# Altium PCB Control Panel PCB v2.PcbDoc (part 3 of 3)
Units mm, origin at the board's own origin, x right, y up, seen from the top; angles counter-clockwise.
Board outline 270.04 x 103.81 mm, 2 copper layers (Top Layer, Bottom Layer); 322 components, 214 nets, 925 pads, 431 vias.
Unrouted connection lines stored in the file: 76.
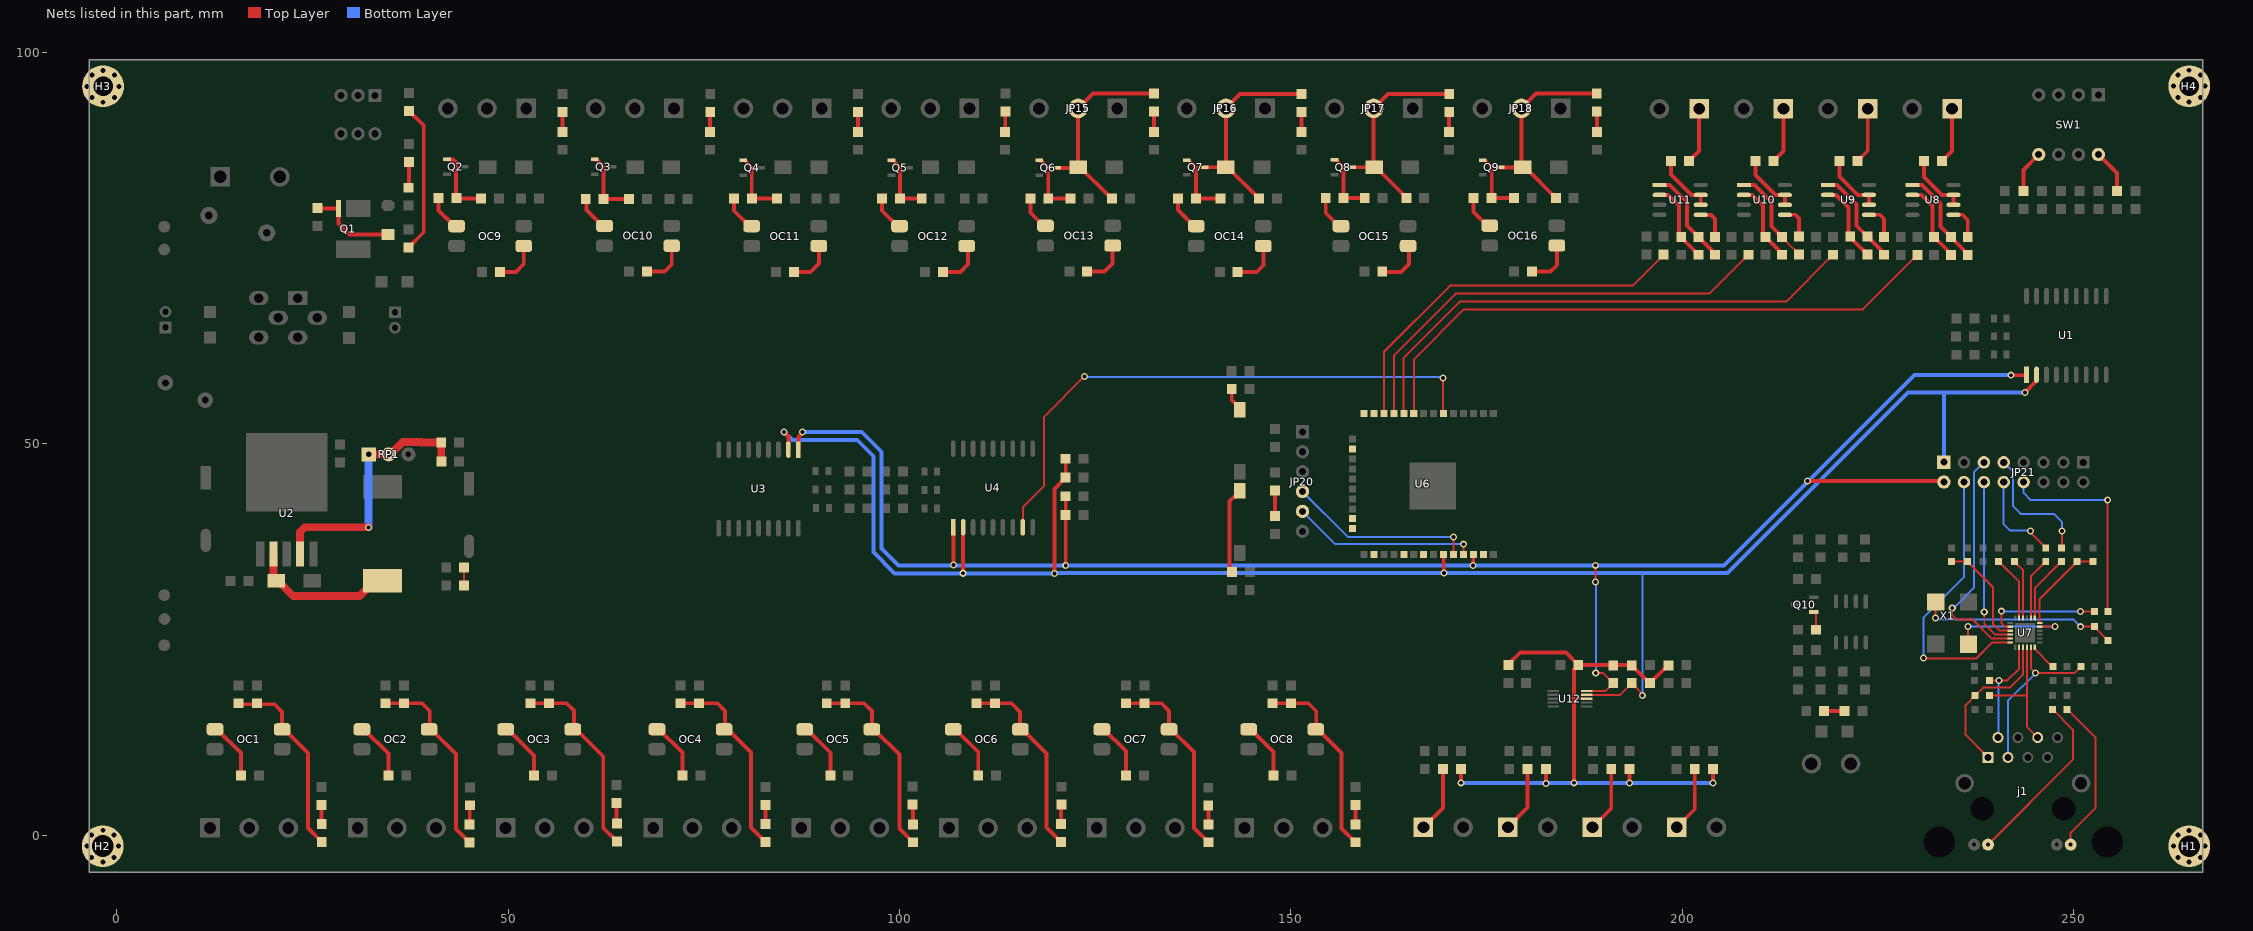
[diagram p3: the nets of this part, all layers, seen from the top]

## Via types
v1: diameter 1.27, hole 0.711, Top Layer to Bottom Layer, tented both sides, 304 vias
v2: diameter 0.9, hole 0.5, Top Layer to Bottom Layer, tented both sides, 127 vias

## Nets (pads, with @x,y where several pads share a name; then routed paths per layer and width w, separated by ;. In a path a pad name is that pad's centre, name@x,y a point inside that pad or via, vN(x,y) a via of type N, cw(c..) or ccw(c..) an arc to the next point about the centre after c; other vN are vias at no path point) (continued)
NetD5_1: D5.1 JP15.2 LEDR5.2 Q6.3 R83.2 | length 26.5
  Top Layer w0.5: Q6.3@120.117,85.242 122.77,85.242 D5.1@122.846,85.319 ; R83.2@126.974,81.415 126.974,81.484 126.767,81.69 126.699,81.69 123.071,85.319 D5.1@122.846,85.319 ; LEDR5.2@132.486,94.717 124.696,94.717 JP15.2@122.816,92.837 122.816,85.348 D5.1@122.846,85.319
NetD6_1: D6.1 JP16.2 LEDR6.2 Q7.3 R84.2 | length 26.5
  Top Layer w0.5: Q7.3@138.971,85.293 139.196,85.293 139.221,85.319 D6.1@141.693,85.319 ; R84.2@145.923,81.331 145.538,81.716 145.52,81.716 141.918,85.319 D6.1@141.693,85.319 ; LEDR6.2@151.333,94.666 143.525,94.666 JP16.2@141.696,92.837 141.696,85.322 D6.1@141.693,85.319
NetD7_1: D7.1 JP17.2 LEDR7.2 Q8.3 R93.2 | length 26.4
  Top Layer w0.5: Q8.3@157.843,85.319 D7.1@160.641,85.319 ; R93.2@164.649,81.536 164.616,81.536 164.359,81.792 164.359,81.825 160.866,85.319 D7.1@160.641,85.319 ; LEDR7.2@170.231,94.691 162.43,94.691 JP17.2@160.575,92.837 160.575,85.384 D7.1@160.641,85.319
NetD8_1: D8.1 JP18.2 LEDR8.2 Q9.3 R94.2 | length 26.7
  Top Layer w0.5: Q9.3@176.791,85.293 179.589,85.293 D8.1@179.615,85.319 ; R94.2@183.845,81.382 183.46,81.767 180.533,84.694 180.24,84.694 D8.1@179.615,85.319 ; LEDR8.2@189.078,94.717 181.334,94.717 JP18.2@179.455,92.837 179.455,85.479 D8.1@179.615,85.319
Netj1_1: j1.1 R111.2 U7.21 | length 20.3
  Top Layer w0.254: j1.1@239.065,9.923 236.195,12.793 236.195,16.611 R111.2@237.388,17.805 238.43,18.847 241.859,18.847 243.539,20.527 U7.21@243.539,23.987
Netj1_2: j1.2 R112.1 U7.20 | length 14.5
  Top Layer w0.254: R112.1@239.236,19.774 241.541,19.774 243.039,21.272 U7.20@243.039,23.987
  Bottom Layer w0.254: j1.2@240.335,12.463 240.411,12.539 240.411,19.685 v2(240.487,19.761)
Netj1_3: j1.3 R113.2 U7.23 | length 21.9
  Top Layer w0.254: U7.23@244.539,23.987 244.539,21.297 v2(245.135,20.701) 250.095,20.701 R113.2@250.92,21.526
  Bottom Layer w0.254: j1.3@241.605,9.923 241.605,17.17 v2(245.135,20.701)
Netj1_6: j1.6 R114.1 U7.22 | length 16.9
  Top Layer w0.254: R114.1@239.261,17.818 244.039,17.818 ; U7.22@244.039,23.987 244.039,17.818 ; j1.6@245.415,12.463 244.039,13.838 244.039,17.818
Netj1_10: j1.10 R122.2 | length 22.9
  Top Layer w0.254: j1.10@239.065,-1.219 249.911,9.627 249.911,13.475 R122.2@247.32,16.066
Netj1_11: j1.11 R123.2 | length 20.1
  Top Layer w0.254: R123.2@249.174,16.066 252.806,12.433 252.806,3.48 249.627,0.301 j1.11@249.627,-1.219
NetJP22_1: JP22.1 R128.2 | length 7.2
  Top Layer w0.5: R128.2@233.172,86.106 234.467,87.401 JP22.1@234.467,92.786
NetJP23_1: JP23.1 R133.2 | length 7.2
  Top Layer w0.5: R133.2@222.377,86.106 223.698,87.427 JP23.1@223.698,92.786
NetJP24_1: JP24.1 R138.2 | length 7.2
  Top Layer w0.5: R138.2@211.658,86.106 212.928,87.376 JP24.1@212.928,92.786
NetJP25_1: JP25.1 R143.2 | length 7.2
  Top Layer w0.5: R143.2@200.863,86.106 202.159,87.401 JP25.1@202.159,92.786
NetJP26_1: JP26.1 R153.2 | length 8.4
  Top Layer w0.5: JP26.1@199.288,0.991 201.6,3.302 R153.2@201.6,8.458
NetJP27_1: JP27.1 R154.2 | length 8.5
  Top Layer w0.5: JP27.1@188.527,0.991 190.932,3.395 R154.2@190.932,8.458
NetJP28_1: JP28.1 R159.2 | length 8.5
  Top Layer w0.5: JP28.1@177.724,0.991 180.238,3.505 R159.2@180.238,8.458
NetJP29_1: JP29.1 R160.2 | length 8.5
  Top Layer w0.5: JP29.1@166.929,0.991 169.418,3.48 R160.2@169.418,8.458
NetL1_1: L1.1 U2.2 VD1.2 | length 18.8
  Top Layer w0.5: VD1.2@20.026,32.816 VD1.2@20.364,32.478
  Top Layer w1: VD1.2@20.026,32.816 U2.2@20.026,35.938 ; VD1.2@20.364,32.478 20.589,32.478 22.536,30.531 31.019,30.531 32.967,32.478 L1.1@33.967,32.478
NetLED1_1: LED1.1 R10.1 | length 2.3
  Top Layer w0.254: LED1.1@44.381,31.874 R10.1@44.381,34.16
NetLED2_2: LED2.2 R13.1 | length 3.3
  Top Layer w0.5: R13.1@37.313,82.728 LED2.2@37.313,85.979
  Top Layer w1: R13.1@37.287,82.702 R13.1@37.313,82.728 ; LED2.2@37.313,85.979 LED2.2@37.338,86.004
NetLED3_2: LED3.2 R14.1 | length 19
  Top Layer w0.5: R14.1@37.287,75.082 39.218,77.013 39.218,90.652 LED3.2@37.338,92.532
NetLED4_1: LED4.1 R21.2 | length 2.4
  Top Layer w0.5: R21.2@26.162,3.835 26.175,3.823 26.175,1.435 LED4.1@26.187,1.422
NetLED4_2: LED4.2 OC1.4 R17.2 R19.2 | length 24.9
  Top Layer w0.5: R19.2@15.57,16.84 15.697,16.713 20.142,16.713 21.13,15.725 OC1.4@21.13,13.513 21.41,13.513 24.435,10.488 24.435,0.889 LED4.2@26.187,-0.864
NetLED5_1: LED5.1 R22.2 | length 2.5
  Top Layer w0.5: LED5.1@45.06,1.346 45.098,1.384 45.098,3.772 R22.2@45.136,3.81
NetLED5_2: LED5.2 OC2.4 R18.2 R20.2 | length 25.1
  Top Layer w0.5: R20.2@34.341,16.84 R18.2@36.703,16.84 38.989,16.84 39.98,15.85 OC2.4@39.98,13.592 ; OC2.4@39.901,13.513 40.181,13.513 43.358,10.336 43.358,0.762 LED5.2@45.06,-0.94
NetLED6_1: LED6.1 R29.2 | length 2.7
  Top Layer w0.5: R29.2@63.83,4.115 63.856,4.089 63.856,1.499 LED6.1@63.881,1.473
NetLED6_2: LED6.2 OC3.4 R25.2 R27.2 | length 25.2
  Top Layer w0.5: R27.2@52.857,16.84 R25.2@55.22,16.84 57.48,16.84 58.395,15.926 OC3.4@58.395,13.642 ; OC3.4@58.387,13.513 OC3.4@58.265,13.513 58.622,13.513 59.157,12.978 59.209,12.978 62.154,10.033 62.154,0.914 LED6.2@63.881,-0.813
NetLED7_1: LED7.1 R30.2 | length 2.4
  Top Layer w0.5: LED7.1@82.88,1.422 R30.2@82.88,3.861
NetLED7_2: LED7.2 OC4.4 R26.2 R28.2 | length 25.3
  Top Layer w0.5: R28.2@72.034,16.84 R26.2@74.397,16.84 76.759,16.84 77.724,15.875 77.724,13.642 OC4.4@77.594,13.513 77.952,13.513 78.487,12.978 78.589,12.978 81.026,10.541 81.026,0.991 LED7.2@82.88,-0.864
NetLED8_1: LED8.1 R37.2 | length 2.6
  Top Layer w0.5: R37.2@101.676,3.912 101.702,3.886 101.702,1.397 LED8.1@101.727,1.372
NetLED8_2: LED8.2 OC5.4 R33.2 R35.2 | length 25.3
  Top Layer w0.5: R35.2@90.703,16.84 R33.2@93.066,16.84 95.479,16.84 96.467,15.852 OC5.4@96.467,13.513 96.747,13.513 99.974,10.285 99.974,0.838 LED8.2@101.727,-0.914
NetLED9_1: LED9.1 R38.2 | length 2.5
  Top Layer w0.5: LED9.1@120.625,1.422 120.65,1.448 120.65,3.861 R38.2@120.675,3.886
NetLED9_2: LED9.2 OC6.4 R34.2 R36.2 | length 25
  Top Layer w0.5: R36.2@109.83,16.84 R34.2@112.192,16.84 114.3,16.84 115.418,15.723 115.418,13.538 OC6.4@115.443,13.513 115.723,13.513 118.796,10.44 118.796,0.965 LED9.2@120.625,-0.864
NetLED10_1: LED10.1 R45.2 | length 2.4
  Top Layer w0.5: R45.2@139.446,3.759 139.459,3.747 139.459,1.384 LED10.1@139.471,1.372
NetLED10_2: LED10.2 OC7.4 R41.2 R43.2 | length 24.9
  Top Layer w0.5: R43.2@128.956,16.84 R41.2@131.318,16.84 133.452,16.84 134.44,15.852 OC7.4@134.44,13.513 134.72,13.513 137.643,10.59 137.643,0.914 LED10.2@139.471,-0.914
NetLED11_1: LED11.1 R46.2 | length 2.5
  Top Layer w0.5: LED11.1@158.242,1.372 158.255,1.384 158.255,3.823 R46.2@158.267,3.835
NetLED11_2: LED11.2 OC8.4 R42.2 R44.2 | length 24.9
  Top Layer w0.5: R44.2@147.676,16.84 R42.2@150.038,16.84 152.222,16.84 153.238,15.824 OC8.4@153.238,13.566 ; OC8.4@153.185,13.513 153.465,13.513 156.489,10.488 156.489,0.838 LED11.2@158.242,-0.914
NetLED12_1: LED12.1 R103.2 | length 2.6
  Top Layer w0.5: LED12.1@218.128,15.836 R103.2@220.742,15.836
NetLED13_2: LED13.2 R110.1 | length 3.3
  Top Layer w0.5: R110.1@147.949,40.737 LED13.2@147.949,44.012
NetLEDR1_1: LEDR1.1 R50.1 | length 2.6
  Top Layer w0.5: R50.1@56.947,89.84 56.959,89.853 56.959,92.367 LEDR1.1@56.972,92.38
NetLEDR2_1: LEDR2.1 R51.1 | length 2.6
  Top Layer w0.5: R51.1@75.768,89.84 75.794,89.865 75.794,92.354 LEDR2.1@75.819,92.38
NetLEDR3_1: LEDR3.1 R60.1 | length 2.6
  Top Layer w0.5: R60.1@94.691,89.84 LEDR3.1@94.691,92.405
NetLEDR4_1: LEDR4.1 R63.1 | length 2.6
  Top Layer w0.5: R63.1@113.487,89.84 113.513,89.865 113.513,92.405 LEDR4.1@113.538,92.431
NetLEDR5_1: LEDR5.1 R72.1 | length 2.6
  Top Layer w0.5: LEDR5.1@132.486,92.431 132.499,92.418 132.499,89.853 R72.1@132.512,89.84
NetLEDR6_1: LEDR6.1 R75.1 | length 2.5
  Top Layer w0.5: R75.1@151.333,89.84 LEDR6.1@151.333,92.38
NetLEDR7_1: LEDR7.1 R85.1 | length 2.6
  Top Layer w0.5: R85.1@170.205,89.84 170.218,89.853 170.218,92.392 LEDR7.1@170.231,92.405
NetLEDR8_1: LEDR8.1 R88.1 | length 2.6
  Top Layer w0.5: LEDR8.1@189.078,92.431 189.09,92.418 189.09,89.853 R88.1@189.103,89.84
NetOC1_1: OC1.1 R15.1 | length 7.4
  Top Layer w0.5: OC1.1@12.55,13.513 12.83,13.513 15.875,10.468 R15.1@15.875,7.62
NetOC2_1: OC2.1 R16.1 | length 7.5
  Top Layer w0.5: OC2.1@31.321,13.513 31.601,13.513 34.696,10.417 R16.1@34.696,7.62
NetOC3_1: OC3.1 R23.1 | length 7.6
  Top Layer w0.5: OC3.1@49.685,13.513 49.965,13.513 53.315,10.163 R23.1@53.315,7.62
NetOC4_1: OC4.1 R24.1 | length 7.4
  Top Layer w0.5: OC4.1@69.014,13.513 69.294,13.513 72.263,10.544 R24.1@72.263,7.62
NetOC5_1: OC5.1 R31.1 | length 7.4
  Top Layer w0.5: OC5.1@87.887,13.513 88.167,13.513 91.161,10.519 R31.1@91.161,7.62
NetOC6_1: OC6.1 R32.1 | length 7.4
  Top Layer w0.5: OC6.1@106.863,13.513 107.143,13.513 110.058,10.598 R32.1@110.058,7.62
NetOC7_1: OC7.1 R39.1 | length 7.3
  Top Layer w0.5: OC7.1@125.86,13.513 126.14,13.513 128.93,10.722 R39.1@128.93,7.62
NetOC8_1: OC8.1 R40.1 | length 7.4
  Top Layer w0.5: OC8.1@144.605,13.513 144.885,13.513 147.803,10.595 R40.1@147.803,7.62
NetOC9_1: OC9.1 R52.1 | length 5.8
  Top Layer w0.5: R52.1@48.946,71.958 51.003,71.958 51.994,72.949 51.994,75.258 OC9.1@51.991,75.26
NetOC9_3: OC9.3 R56.2 | length 4.7
  Top Layer w0.5: R56.2@41.123,81.372 41.123,79.809 43.131,77.8 OC9.3@43.411,77.8
NetOC10_1: OC10.1 R54.1 | length 5.9
  Top Layer w0.5: R54.1@67.742,71.984 70.002,71.984 70.897,72.878 OC10.1@70.897,75.286
NetOC10_3: OC10.3 R57.2 | length 4.6
  Top Layer w0.5: R57.2@60.02,81.31 60.02,79.842 62.037,77.826 OC10.3@62.317,77.826
NetOC11_1: OC11.1 R61.1 | length 5.9
  Top Layer w0.5: R61.1@86.462,71.933 88.57,71.933 ; 88.621,71.958 89.69,73.028 OC11.1@89.69,75.26
NetOC11_3: OC11.3 R68.2 | length 4.7
  Top Layer w0.5: R68.2@78.867,81.371 78.867,79.763 80.83,77.8 OC11.3@81.11,77.8
NetOC12_1: OC12.1 R64.1 | length 6
  Top Layer w0.5: R64.1@105.486,71.933 107.721,71.933 ; 107.772,71.958 108.737,72.923 108.737,75.11 OC12.1@108.588,75.26
NetOC12_3: OC12.3 R69.2 | length 4.6
  Top Layer w0.5: R69.2@97.765,81.331 97.765,79.763 99.728,77.8 OC12.3@100.008,77.8
NetOC13_1: OC13.1 R73.1 | length 6
  Top Layer w0.5: R73.1@123.977,72.009 126.213,72.009 127.231,73.028 OC13.1@127.231,75.311
NetOC13_3: OC13.3 R81.2 | length 4.4
  Top Layer w0.5: R81.2@116.713,81.305 116.713,79.509 118.371,77.851 OC13.3@118.651,77.851
NetOC14_1: OC14.1 R79.1 | length 6.1
  Top Layer w0.5: R79.1@143.205,71.958 145.644,71.958 146.482,72.796 146.482,75.258 OC14.1@146.484,75.26
NetOC14_3: OC14.3 R82.2 | length 4.6
  Top Layer w0.5: R82.2@135.585,81.23 135.585,79.839 137.624,77.8 OC14.3@137.904,77.8
NetOC15_1: OC15.1 R86.1 | length 6.2
  Top Layer w0.5: R86.1@161.62,71.958 164.059,71.958 ; 164.109,71.984 165.075,72.949 165.075,75.159 OC15.1@164.973,75.26
NetOC15_3: OC15.3 R91.2 | length 4.5
  Top Layer w0.5: R91.2@154.457,81.382 154.457,79.456 156.113,77.8 OC15.3@156.393,77.8
NetOC16_1: OC16.1 R89.1 | length 6
  Top Layer w0.5: R89.1@180.797,72.009 183.185,72.009 183.975,72.799 OC16.1@183.975,75.311
NetOC16_3: OC16.3 R92.2 | length 4.5
  Top Layer w0.5: R92.2@173.355,81.382 173.355,79.611 175.115,77.851 OC16.3@175.395,77.851
NetQ1_4: Q1.4 R12.2 Z1.1 | length 12.4
  Top Layer w0.5: R12.2@25.938,79.862 26.162,80.086 R12.2@25.897,80.086 ; Z1.1@34.646,76.733 29.732,76.733 28.321,78.144 Q1.4@28.321,80.045 25.938,80.045 R12.2@25.897,80.086 ; R12.2@25.897,80.086 R12.2@25.629,80.086 R12.2@25.897,80.086
NetQ2_1: Q2.1 R53.2 R56.1 | length 9.1
  Top Layer w0.5: Q2.1@42.189,86.319 42.941,86.319 43.358,85.903 43.358,81.407 43.434,81.331 R53.2@46.558,81.331
NetQ3_1: Q3.1 R55.2 R57.1 | length 8.9
  Top Layer w0.5: Q3.1@61.062,86.319 61.287,86.319 62.205,85.401 62.205,81.665 62.221,81.648 62.573,81.648 62.573,81.297 62.59,81.28 R55.2@65.456,81.28
NetQ4_1: Q4.1 R62.2 R68.1 | length 8.4
  Top Layer w0.5: Q4.1@80.285,86.167 81.128,85.325 81.128,81.356 R68.1@81.153,81.331 R62.2@84.353,81.331
NetQ5_1: Q5.1 R65.2 R69.1 | length 8.1
  Top Layer w0.5: Q5.1@98.958,86.192 99.183,86.192 100.076,85.3 100.076,81.509 100.254,81.331 R65.2@102.845,81.331
NetQ6_1: Q6.1 R74.2 R81.1 | length 8.2
  Top Layer w0.5: Q6.1@117.849,86.192 118.074,86.192 118.999,85.267 118.999,81.712 R81.1@119.202,81.509 ; R81.1@118.999,81.305 119.012,81.318 121.831,81.318 R74.2@121.844,81.331
NetQ7_1: Q7.1 R80.2 R82.1 | length 8.3
  Top Layer w0.5: Q7.1@136.953,86.218 137.871,85.3 R82.1@137.871,81.305 ; R82.1@138.163,81.598 138.43,81.331 R80.2@141.021,81.331
NetQ8_1: Q8.1 R87.2 R91.1 | length 8.1
  Top Layer w0.5: Q8.1@155.575,86.269 155.8,86.269 156.743,85.325 R91.1@156.743,81.382 ; R91.1@156.82,81.382 R87.2@159.436,81.382
NetQ9_1: Q9.1 R90.2 R92.1 | length 7.9
  Top Layer w0.5: Q9.1@174.773,86.218 175.666,85.325 175.666,81.636 175.92,81.382 R90.2@178.486,81.382
NetQ10_1: Q10.1 R104.2 | length 2.5
  Top Layer w0.254: Q10.1@216.793,28.486 216.97,28.486 217.093,28.363 R104.2@217.093,26.236
NetR1_1: R1.1 SW1.8 | length 5.6
  Top Layer w0.5: SW1.8@253.162,86.944 255.524,84.582 R1.1@255.524,82.296
NetR9_1: R9.1 R11.2 RP1.1 RP1.ADJ U2.4 | length 33.5
  Top Layer w1: U2.4@23.426,35.938 23.426,38.733 24.011,39.319 v2(32.156,39.319) ; RP1.1@32.189,48.638 RP1.ADJ@34.729,48.638 34.945,48.638 36.523,50.216 38.895,50.216 38.946,50.165 R11.2@41.453,50.165 41.456,50.162 41.456,47.752 R9.1@41.459,47.749
  Bottom Layer w1: v2(32.156,39.319) 32.156,48.606 RP1.1@32.189,48.638
NetR108_1: R108.1 SW3.1 | length 3.1
  Top Layer w0.5: R108.1@142.445,56.975 142.445,55.59 142.928,55.107 142.961,55.107 143.461,54.607 SW3.1@143.461,54.357
NetR109_1: R109.1 SW4.1 | length 11.2
  Top Layer w0.5: R109.1@142.488,33.631 142.138,33.981 142.138,42.654 142.711,43.227 142.961,43.227 143.461,43.727 SW4.1@143.461,43.977
NetR116_2: R116.2 U7.11 | length 8.3
  Top Layer w0.254: R116.2@240.428,34.95 243.039,32.339 U7.11@243.039,27.727
NetR119_2: R119.2 U7.7 | length 8.6
  Top Layer w0.254: U7.7@245.039,27.727 245.039,31.547 R119.2@248.443,34.95
NetR120_2: R120.2 U7.8 | length 8
  Top Layer w0.254: U7.8@244.539,27.727 244.539,33.05 R120.2@246.439,34.95
NetR124_1: R124.1 U7.24 | length 3.5
  Top Layer w0.254: U7.24@245.039,23.987 245.039,23.782 246.977,21.844 247.047,21.844 R124.1@247.364,21.526
NetR125_2: R125.2 R126.1 X1.1@232.376,29.794 | length 25.4
  Top Layer w0.254: v2(232.359,27.711) 232.359,29.778 X1.1@232.376,29.794 ; v2(250.876,26.619) 252.628,26.619 R125.2@252.654,26.645 252.971,26.327 252.971,26.276 R126.1@254.406,24.841
  Bottom Layer w0.254: v2(232.359,27.711) 232.483,27.588 232.802,27.588 232.831,27.559 249.936,27.559 v2(250.876,26.619)
NetR127_1: R127.1 R131.1 U8.2 | length 10.4
  Top Layer w0.5: U8.2@229.404,81.788 230.556,81.788 231.978,80.366 231.978,76.606 233.93,74.655 233.93,74.502 R127.1@234.315,74.117
NetR127_2: R127.2 R129.1 U8.1 | length 12.6
  Top Layer w0.5: U8.1@229.404,83.058 229.408,83.054 230.636,83.054 232.969,80.721 232.969,77.749 236.089,74.629 236.089,74.502 R129.1@236.474,74.117
NetR128_1: R128.1 U8.6 U8.7 | length 8
  Top Layer w0.5: R128.1@230.886,86.106 230.886,84.099 233.188,81.798 234.644,81.798 U8.7@234.654,81.788 U8.6@234.654,80.518
NetR129_2: R129.2 U8.5 | length 4.3
  Top Layer w0.5: U8.5@234.654,79.248 235.788,79.248 236.474,78.562 R129.2@236.474,76.403
NetR132_1: R132.1 R136.1 U9.2 | length 9.7
  Top Layer w0.5: U9.2@218.609,81.788 218.619,81.778 219.618,81.778 221.234,80.162 221.234,76.683 R136.1@221.463,76.454 ; R136.1@221.848,76.069 221.848,75.967 R132.1@223.647,74.168
NetR132_2: R132.2 R134.1 U9.1 | length 12.5
  Top Layer w0.5: U9.1@218.609,83.058 218.634,83.033 219.76,83.033 222.25,80.543 222.25,77.851 225.37,74.731 225.37,74.528 R134.1@225.755,74.143
NetR133_1: R133.1 U9.6 U9.7 | length 8
  Top Layer w0.5: R133.1@220.091,86.106 220.091,84.125 222.418,81.798 223.849,81.798 U9.7@223.859,81.788 U9.6@223.859,80.518
NetR134_2: R134.2 U9.5 | length 4.5
  Top Layer w0.5: U9.5@223.859,79.248 225.273,79.248 225.781,78.74 225.781,76.454 R134.2@225.755,76.429
NetR137_1: R137.1 R141.1 U10.2 | length 10.3
  Top Layer w0.5: U10.2@207.865,81.788 208.94,81.788 210.294,80.434 210.294,76.751 212.353,74.693 212.353,74.528 R137.1@212.738,74.143
NetR137_2: R137.2 R139.1 U10.1 | length 12.6
  Top Layer w0.254: R137.2@212.738,76.429 213.246,75.921 213.246,75.882 R139.1@214.935,74.193
  Top Layer w0.5: U10.1@207.865,83.058 207.881,83.041 209.211,83.041 211.379,80.874 211.379,77.787 R137.2@212.738,76.429
NetR138_1: R138.1 U10.6 U10.7 | length 7.8
  Top Layer w0.5: R138.1@209.372,86.106 209.372,84.353 211.938,81.788 U10.7@213.115,81.788 U10.6@213.115,80.518
NetR139_2: R139.2 U10.5 | length 4.3
  Top Layer w0.5: U10.5@213.115,79.248 214.452,79.248 214.935,78.765 R139.2@214.935,76.479
NetR142_1: R142.1 R146.1 U11.2 | length 10.3
  Top Layer w0.5: U11.2@197.112,81.788 198.196,81.788 199.568,80.416 199.568,76.733 200.258,76.044 200.258,75.967 201.697,74.528 R142.1@202.082,74.143
NetR142_2: R142.2 R144.1 U11.1 | length 12.6
  Top Layer w0.5: U11.1@197.112,83.058 198.399,83.058 200.609,80.848 200.609,77.902 R142.2@202.082,76.429 203.806,74.705 203.806,74.528 R144.1@204.191,74.143
NetR143_1: R143.1 U11.6 U11.7 | length 7.8
  Top Layer w0.5: R143.1@198.577,86.106 198.577,84.404 201.203,81.778 202.352,81.778 U11.7@202.362,81.788 U11.6@202.362,80.518
NetR144_2: R144.2 U11.5 | length 4.3
  Top Layer w0.5: U11.5@202.362,79.248 202.371,79.238 203.667,79.238 204.191,78.715 R144.2@204.191,76.429
NetR?_1: R?.1@243.586,82.296 SW1.5 | length 5.5
  Top Layer w0.5: R?.1@243.586,82.296 243.586,84.988 SW1.5@245.542,86.944
NetU6_13: U6.13
NetU6_14: U6.14
NetU6_16: U6.16
NetU6_23: U6.23
NetU6_24: U6.24
NetU6_26: U6.26
NetU6_29: U6.29
NetU6_37: U6.37 | length 0
  Top Layer w0.254: U6.37@174.574,35.831 U6.37@174.587,35.843
nRST: C12.2 R115.2 U7.15 | length 13.9
  Top Layer w0.254: C12.2@234.417,34.95 R115.2@236.42,34.95 239.7,31.671 239.7,26.949 240.542,26.107 U7.15@241.919,26.107
OutputINT: U4.8 U6.6 | length 73
  Top Layer w0.254: U4.8@115.748,39.323 115.748,41.91 118.466,44.628 118.466,53.442 v2(123.622,58.598) ; v2(169.418,58.42) 169.418,53.966 U6.6@169.507,53.877
  Bottom Layer w0.254: v2(123.622,58.598) 123.711,58.509 169.329,58.509 v2(169.418,58.42)
PWMin1: R130.1 U6.9 | length 76.8
  Top Layer w0.254: U6.9@165.735,53.777 165.735,60.782 172.11,67.158 223.088,67.158 R130.1@230.048,74.117
PWMin2: R135.1 U6.10 | length 67.4
  Top Layer w0.254: U6.10@164.427,53.877 164.414,53.889 164.414,60.96 171.602,68.148 213.258,68.148 R135.1@219.253,74.143
PWMin3: R140.1 U6.11 | length 58
  Top Layer w0.254: U6.11@163.157,53.877 163.144,53.889 163.144,61.265 171.044,69.164 203.467,69.164 R140.1@208.445,74.143
PWMin4: R145.1 U6.12 | length 48.8
  Top Layer w0.254: U6.12@161.887,53.877 161.9,53.89 161.9,61.773 170.332,70.206 193.656,70.206 R145.1@197.618,74.168
R_RXCLK: JP21.8 R118.2 | length 26.8
  Top Layer w0.254: JP21.8@243.611,45.085 JP21.8@243.624,45.072 ; v2(254.356,42.799) 254.356,28.6 R118.2@254.406,28.55
  Bottom Layer w0.254: JP21.8@243.611,45.085 243.611,43.713 244.526,42.799 v2(254.356,42.799)
REFCLK0: R118.1 U7.14 | length 14.7
  Top Layer w0.254: v2(240.792,28.6) 240.792,27.051 241.224,26.619 241.907,26.619 U7.14@241.919,26.607 ; v2(250.901,28.55) R118.1@252.654,28.55
  Bottom Layer w0.254: v2(240.792,28.6) 240.817,28.575 250.876,28.575 v2(250.901,28.55)
RGBdata: U6.31
RX: JP20.4 U6.34 | length 24
  Top Layer w0.254: U6.34@170.777,35.843 170.79,35.856 v2(170.79,38.1)
  Bottom Layer w0.254: JP20.4@151.48,43.893 157.273,38.1 v2(170.79,38.1)
RXD0: JP21.10 R120.1 | length 12.1
  Top Layer w0.254: v2(244.475,38.837) 244.475,38.667 R120.1@246.439,36.703
  Bottom Layer w0.254: JP21.10@241.071,45.085 241.071,39.726 241.91,38.887 244.424,38.887 v2(244.475,38.837)
RXD1: JP21.9 R119.1 | length 16.5
  Top Layer w0.254: R119.1@248.443,36.703 248.539,36.799 v2(248.539,38.837)
  Bottom Layer w0.254: JP21.9@241.071,47.625 242.265,46.431 242.265,42.012 243.23,41.046 247.447,41.046 248.539,39.954 v2(248.539,38.837)
RXER: R121.2 U7.10 | length 7.7
  Top Layer w0.254: R121.2@242.432,34.95 243.539,33.843 U7.10@243.539,27.727
SCL: C5.2 JP1.2 R67.2 R148.1 U1.1 U3.1 U4.1 U6.36 U12.10 | length 235.8
  Top Layer w0.254: U12.10@187.799,18.424 190.205,18.424 R148.1@191.186,19.406 189.865,20.726 v2(188.951,20.726) ; v2(188.925,32.334) v2@188.925,34.087
  Top Layer w0.5: U3.1@87.071,49.246 87.121,49.296 87.121,50.869 87.63,51.378 v2(87.63,51.486) ; U4.1@106.858,39.323 106.883,39.298 v2(106.883,34.493) ; v2(121.234,34.417) C5.2@121.234,40.894 R67.2@121.234,43.29 ; v2(173.279,34.417) 173.298,34.436 173.298,35.824 U6.36@173.317,35.843 ; v2(215.976,45.237) 233.299,45.237 JP1.2@233.426,45.11 ; v2(241.986,58.75) U1.1@243.942,58.75
  Bottom Layer w0.254: v2(188.951,20.726) v2@188.951,32.35
  Bottom Layer w0.5: v2(87.63,51.486) 95.174,51.486 97.688,48.971 97.688,36.627 99.873,34.442 106.832,34.442 v2(106.883,34.493) 106.921,34.455 121.196,34.455 v2(121.234,34.417) v2(173.279,34.417) 205.334,34.417 216.065,45.148 229.692,58.776 v2@241.984,58.776
  other v2: 188.925,34.468
SDA: C4.2 JP1.1 R66.2 R149.1 U1.2 U3.2 U4.2 U6.33 U12.9 | length 244.9
  Top Layer w0.254: U12.9@187.799,17.924 192.067,17.924 R149.1@193.548,19.406 194.771,18.183 194.771,17.954 v2(194.894,17.831)
  Top Layer w0.5: v2(85.268,51.511) 85.801,50.978 U3.2@85.801,49.246 ; v2(108.102,33.452) 108.115,33.465 108.115,39.311 U4.2@108.128,39.323 ; v2(119.812,33.426) 119.786,33.452 119.786,44.238 R66.2@121.234,45.686 C4.2@121.234,48.082 ; U6.33@169.507,35.843 169.526,35.824 v2@169.526,33.496 ; v2(243.778,56.552) 243.778,56.561 245.262,58.046 U1.2@245.262,58.805
  Bottom Layer w0.254: v2(194.894,17.831) 194.894,33.477
  Bottom Layer w0.5: v2(85.268,51.511) 86.309,50.47 94.598,50.47 96.672,48.395 96.672,36.153 99.386,33.439 119.774,33.439 119.812,33.477 v2(169.545,33.477) 194.894,33.477 205.765,33.477 228.854,56.566 229.997,56.566 v2@243.88,56.566 ; JP1.1@233.426,47.423 233.426,56.464
SHIELD: H1.P H2.P H3.P H4.P
TX: JP20.5 U6.35 | length 23.6
  Top Layer w0.254: v2(172.034,37.16) 172.034,35.855 U6.35@172.047,35.843
  Bottom Layer w0.254: JP20.5@151.48,41.353 155.673,37.16 v2(172.034,37.16)
TXD0: JP21.11 U7.17 | length 30
  Top Layer w0.254: v2(234.493,29.032) 234.493,28.067 235.001,27.559 237.084,27.559 239.535,25.107 U7.17@241.919,25.107
  Bottom Layer w0.254: v2(234.493,29.032) 234.668,29.032 234.887,29.252 234.941,29.252 237.261,31.572 237.261,46.355 JP21.11@238.531,47.625
TXD1: JP21.14 U7.18 | length 36.6
  Top Layer w0.254: v2(230.81,22.606) 230.835,22.581 237.592,22.581 239.618,24.607 U7.18@241.919,24.607
  Bottom Layer w0.254: v2(230.81,22.606) 230.81,27.762 235.991,32.944 JP21.14@235.991,45.085
TXEN: JP21.12 U7.16 | length 22
  Top Layer w0.254: v2(238.582,28.524) 238.582,27.026 240.001,25.607 U7.16@241.919,25.607
  Bottom Layer w0.254: JP21.12@238.531,45.085 238.557,45.06 238.557,28.55 v2(238.582,28.524)
VDD: C20.2 C21.2 FB3.2 R148.2 R149.2 R150.2 R151.2 R152.2 R157.2 R158.2 U12.8 | length 79.4
  Top Layer w0.254: 186.182,17.424 U12.8@187.799,17.424 U12.8@187.786,17.437
  Top Layer w0.5: R158.2@171.729,8.458 171.742,8.446 171.742,6.693 v2(171.755,6.68) ; R150.2@177.749,21.768 179.299,23.317 185.141,23.317 C20.2@186.715,21.742 191.16,21.742 R149.2@193.523,21.742 ; R157.2@182.575,8.458 182.588,8.446 182.588,6.591 v2(182.601,6.579) ; C20.2@186.157,21.184 C20.2@186.766,21.793 ; v2(186.182,6.68) 186.182,17.424 C20.2@186.182,21.133 ; v2(193.243,6.655) R152.2@193.243,8.458 ; R149.2@193.548,21.692 195.424,19.816 195.5,19.816 FB3.2@195.885,19.431 C21.2@197.76,21.307 ; v2(203.911,6.655) R151.2@203.911,8.458
  Bottom Layer w0.5: v2(171.755,6.68) 171.767,6.667 182.601,6.667 182.639,6.629 186.131,6.629 v2(186.182,6.68) 186.195,6.667 203.898,6.667 v2(203.911,6.655)
VDDCR: C13.2 C14.2 U7.6 | length 11.8
  Top Layer w0.254: U7.6@245.659,27.107 245.659,30.163 C14.2@250.447,34.95 C13.2@252.451,34.95
XTAL1: U7.5 X1.3 | length 15.4
  Top Layer w0.254: v2(236.525,26.67) 236.525,24.435 X1.3@236.576,24.384 ; U7.5@245.659,26.607 245.672,26.62 247.575,26.62 v2(247.625,26.67)
  Bottom Layer w0.254: v2(236.525,26.67) v2(247.625,26.67)
pads on no net: j1.7 j1.8 j1.15 j1.16 j1.S1 j1.S2 JP21.13 R?.1@248.361,82.296 R?.1@250.749,82.296 SW1.6 SW1.7 SW2.3 SW2.4 U1.7 U1.10 U1.15 U1.16 U1.17 U3.7 U4.7 U6.4 U6.5 U6.17 U6.18 U6.19 U6.20 U6.21 U6.22 U6.32 U7.4 X1.1@231.276,31.694
copper on no net: | length 9.2
  Top Layer w0.5: 248.234,82.118 248.234,86.792 ; 250.749,82.296 250.749,86.817

## Polygon pours and split planes (outlines as drawn)
GND_F on Top Layer "GND_F_TOP" (hatched 45Degree grid 1 track 0.254, remove dead copper, pour order 6): 5.232,66.548 5.232,6.706 210.109,6.706 210.109,-4.775 257.937,-4.775 266.522,3.81 266.522,99.035 239.751,99.035 239.751,70.409 192.075,70.409 192.075,79.121 36.957,79.121 36.957,66.548
GND on Top Layer "GND_TOP" (hatched 45Degree grid 1 track 0.203, remove dead copper, pour order 5): 4.445,67.208 36.093,67.208 36.093,79.985 192.837,79.985 192.837,70.891 238.989,70.891 238.989,99.035 -3.505,99.035 -3.477,-4.774 209.194,-4.826 209.194,6.121 4.445,6.121
GND_F on Bottom Layer "GND_F_BOTTOM" (hatched 45Degree grid 1 track 0.254, remove dead copper, pour order 4): 5.232,66.65 5.232,17.12 8.433,13.995 15.748,6.68 210.109,6.68 210.109,-4.775 257.937,-4.775 266.522,3.81 266.522,99.035 239.751,99.035 239.751,70.206 192.075,70.206 192.075,79.172 36.957,79.172 36.957,66.65
GND on Bottom Layer "GND_BOTTOM" (hatched 45Degree grid 1 track 0.203, remove dead copper, pour order 1): 4.445,67.056 36.093,67.056 36.093,80.061 192.837,80.061 192.837,70.739 238.989,70.739 238.989,99.035 -3.543,99.035 -3.515,-4.711 209.194,-4.762 209.194,6.248 15.204,6.248 4.445,16.543

## Keep-outs
Keep-Out Layer:
  lines w0.254: -3.515,-4.776 -3.515,99.034 ; -3.505,-4.775 266.522,-4.775 266.522,99.035 -3.505,99.035

## Other copper
Top Layer:
  rectangle net LM_Out+: 36.017,45.06 36.932,45.974
  pour cut-out: 244.831,37.922 242.976,37.922 242.976,37.389 243.002,37.363 244.831,37.363
  pour cut-out: 202.311,5.385 202.311,-2.108 202.286,-2.134 195.986,-2.134 195.986,5.359 195.961,5.385
  pour cut-out: 191.364,5.359 191.364,-2.134 191.338,-2.159 185.039,-2.159 185.039,5.334 185.014,5.359
  pour cut-out: 180.619,5.385 180.619,-2.108 180.594,-2.134 174.295,-2.134 174.295,5.359 174.269,5.385
  pour cut-out: 170.155,5.359 170.155,-2.134 170.129,-2.159 163.83,-2.159 163.83,5.334 163.805,5.359
  pour cut-out: 196.151,78.715 196.126,78.689 196.126,77.47 198.082,77.47 198.082,77.953 197.32,78.715
  pour cut-out: 207.023,78.74 206.997,78.715 206.997,77.495 208.953,77.495 208.953,77.978 208.191,78.74
  pour cut-out: 217.818,78.74 217.792,78.715 217.792,77.495 219.748,77.495 219.748,77.978 218.986,78.74
  pour cut-out: 198.971,80.391 198.082,80.391 198.082,79.426 198.387,79.121 198.971,79.121
  pour cut-out: 209.766,80.315 208.877,80.315 208.877,79.35 209.182,79.045 209.766,79.045
  pour cut-out: 220.637,80.188 219.748,80.188 219.748,79.223 220.053,78.918 220.637,78.918
  pour cut-out: 201.32,78.457 201.32,77.568 203.378,77.568 203.378,78.457
  pour cut-out: 212.115,78.431 212.115,77.542 214.173,77.542 214.173,78.431
  pour cut-out: 222.987,78.457 222.987,77.568 225.044,77.568 225.044,78.457
  pour cut-out: 233.705,78.482 233.705,77.593 235.763,77.593 235.763,78.482
  pour cut-out: 231.369,80.213 230.48,80.213 230.48,79.248 230.784,78.943 231.369,78.943
  pour cut-out: 228.625,78.765 228.6,78.74 228.6,77.521 230.556,77.521 230.556,78.003 229.794,78.765
  pour cut-out: 177.006,60.274 186.588,60.274 186.588,27.711 176.921,27.711
  pour cut-out: 163.805,24.003 163.805,5.359 207.01,5.359 206.985,5.385 206.985,24.003
Bottom Layer:
  pour cut-out: 177.021,61.087 186.614,61.087 186.614,28.753 176.936,28.753
  pour cut-out: 163.805,24.003 163.805,5.359 207.01,5.359 206.985,5.385 206.985,24.003

## Silkscreen, mask and mechanical layers (free items; w line width, h text height)
Top Overlay:
  lines w0.254: 213.88,17.666 214.3,17.247 228.194,17.247 228.778,17.831
  text "Dout1" at 48.952,98.009 h1.6 r180
  text "VCC" at 53.397,98.007 h1.6 r180
  text "Dout2" at 67.926,98.009 h1.6 r180
  text "VCC" at 72.319,98.007 h1.6 r180
  text "VCC" at 91.216,98.007 h1.6 r180
  text "Dout4" at 105.645,98.009 h1.6 r180
  text "VCC" at 109.987,98.007 h1.6 r180
  text "VCC" at 128.91,98.007 h1.6 r180
  text "VCC" at 147.757,98.007 h1.6 r180
  text "Dout7" at 162.236,98.009 h1.6 r180
  text "VCC" at 166.68,98.007 h1.6 r180
  text "VCC" at 185.577,98.007 h1.6 r180
  text "Aout1" at 203.892,98.009 h1.6 r180
  text "Aout2" at 214.636,98.009 h1.6 r180
  text "Aout4" at 236.277,98.009 h1.6 r180
  text "INPUT : 5~24V DC" at 22.181,98.006 h1.6 r180
  text "ON/OFF KEY" at 34.754,98.006 h1.6 r180
  text "3.3V" at 38.614,98.006 h1.6 r180
  text "GND" at 43.491,98.006 h1.6 r180
  text "GND" at 62.313,98.006 h1.6 r180
  text "GND" at 81.185,98.006 h1.6 r180
  text "Dout3" at 86.747,98.006 h1.6 r180
  text "GND" at 100.082,98.006 h1.6 r180
  text "GND" at 118.98,98.006 h1.6 r180
  text "Dout5" at 124.568,98.006 h1.6 r180
  text "GND" at 137.903,98.006 h1.6 r180
  text "Dout6" at 143.389,98.006 h1.6 r180
  text "GND" at 156.775,98.006 h1.6 r180
  text "GND" at 175.546,98.006 h1.6 r180
  text "Dout8" at 181.083,98.006 h1.6 r180
  text "GND" at 198.431,98.006 h1.6 r180
  text "GND" at 209.048,98.006 h1.6 r180
  text "GND" at 219.666,98.006 h1.6 r180
  text "Aout3" at 225.381,98.006 h1.6 r180
  text "GND" at 230.537,98.006 h1.6 r180
  text "4" at 244.481,98 h1.6 r180
  text "Panel ADD" at 253.016,97.983 h1.6 r180
  text "1" at 255.429,98 h1.6 r180
  text "High" at 259.243,94.659 h1.5 r180
  text "24V" at 38.534,90.757 h1.5 r180
  text "LOW" at 259.417,87.364 h1.5 r180
  text "24V" at 3.207,77.057 h1.5 r90
  text "GND" at 3.214,73.679 h1.5 r90
  text "Control Panel Unit" at 77.999,60.761 h5
  text "Revision 1.1" at 78.382,58.387 h2
  text "RESET" at 139.383,52.813 h1.6 r270
  text "3.3V EN IO0 RX TX GND" at 153.834,52.457 h1.5 r270
  text "USER" at 139.383,41.84 h1.6 r270
  text "24V" at 3.512,29.839 h1.5 r90
  text "GND" at 3.519,26.46 h1.5 r90
  text "3.3V" at 3.519,23.209 h1.5 r90
  text "A" at 216.148,-3.859 h1.6
  text "B" at 221.329,-3.859 h1.6
  text "Ain3" at 187.178,-3.922 h1.6
  text "Ain1" at 165.373,-3.94 h1.6
  text "Ain4" at 197.871,-3.941 h1.6
  text "VCC" at 10.609,-3.954 h1.6
  text "Din1" at 15.589,-3.972 h1.6
  text "GND" at 20.593,-3.952 h1.6
  text "VCC" at 29.323,-3.954 h1.6
  text "Din2" at 34.36,-3.972 h1.6
  text "GND" at 39.364,-3.952 h1.6
  text "VCC" at 48.347,-3.954 h1.6
  text "Din3" at 53.384,-3.952 h1.6
  text "GND" at 58.388,-3.952 h1.6
  text "VCC" at 67.321,-3.954 h1.6
  text "Din4" at 72.18,-3.972 h1.6
  text "GND" at 77.184,-3.952 h1.6
  text "VCC" at 85.99,-3.954 h1.6
  text "Din5" at 91.205,-3.952 h1.6
  text "GND" at 96.082,-3.952 h1.6
  text "VCC" at 105.015,-3.954 h1.6
  text "Din6" at 110.001,-3.952 h1.6
  text "GND" at 115.005,-3.952 h1.6
  text "VCC" at 123.862,-3.954 h1.6
  text "Din7" at 128.873,-3.972 h1.6
  text "GND" at 133.877,-3.952 h1.6
  text "VCC" at 142.734,-3.954 h1.6
  text "Din8" at 147.898,-3.952 h1.6
  text "GND" at 152.825,-3.952 h1.6
  text "GND" at 170.605,-3.952 h1.6
  text "Ain2" at 176.078,-3.959 h1.6
  text "GND" at 181.311,-3.952 h1.6
  text "GND" at 192.41,-3.952 h1.6
  text "GND" at 203.104,-3.952 h1.6
Bottom Overlay:
  drawing of 225 lines, arcs and shapes, not listed
Mechanical 13:
  lines w0.254: 125.12,88.494 125.146,88.494 ; 197.51,95.834 237.566,95.834 ; 230.226,-4.699 230.226,51.156 230.327,51.257 256.921,51.257 256.972,51.206 256.972,-4.623 ; 230.349,7.366 230.356,7.874 ; 231.869,7.089 230.353,7.62 ; 231.884,8.105 230.353,7.62 ; 235.677,7.539 230.353,7.62 ; 250.853,49.707 251.358,51.232 ; 250.949,-3.278 251.46,-4.801 ; 251.104,51.231 251.612,51.232 ; 251.206,-4.801 251.714,-4.8 ; 251.395,31.24 251.358,51.232 ; 251.424,15.192 251.46,-4.801 ; 251.723,7.295 257.048,7.214 ; 251.869,49.709 251.358,51.232 ; 251.965,-3.276 251.46,-4.801 ; 255.516,6.729 257.048,7.214 ; 255.532,7.745 257.048,7.214 ; 257.044,6.96 257.052,7.468
  text "56.032 (mm)" at 250.481,30.984 h1.52 r270.1
  text "26.698 (mm)" at 235.917,6.621 h1.52 r359.13

## Text inside footprints (layer, text, board x,y; h text height)
U6: Mechanical 4 "ANTENNA" at 178.999,50.585 h1.5 r270; Mechanical 4 "ANTENNA" at 178.999,50.585 h1.5 r270